# KiCad board RC-2XXA.kicad_pcb (continued)
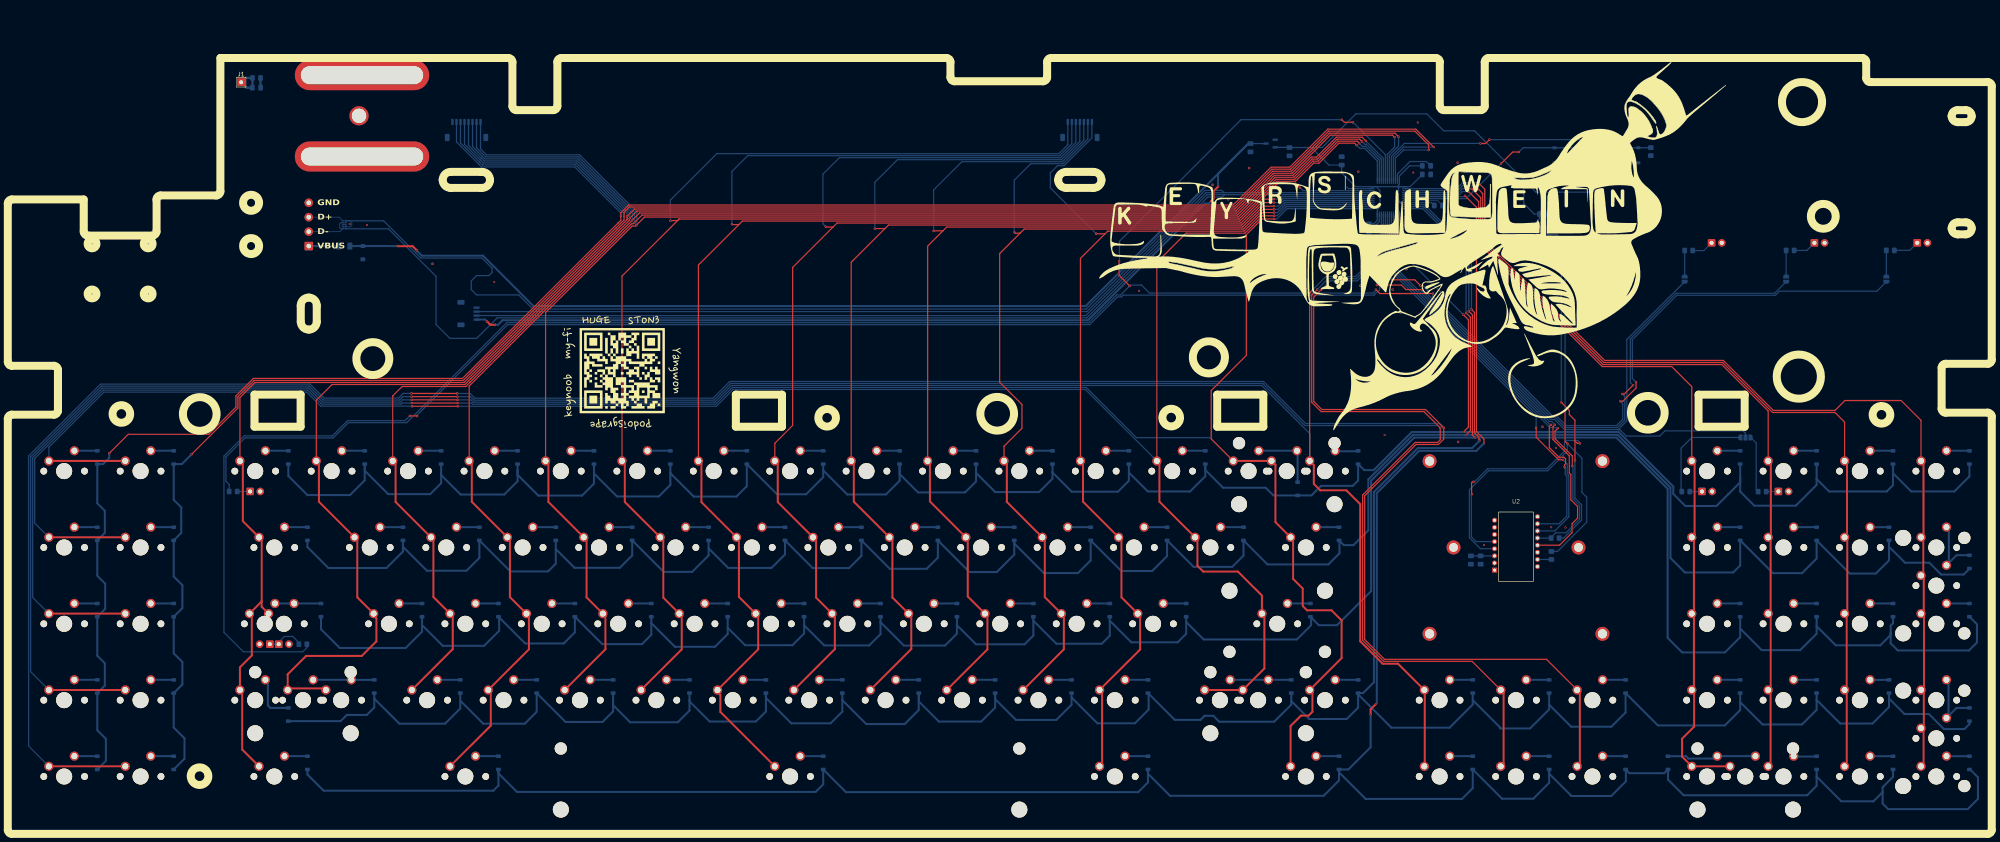
[diagram p0: board, top side]
## Routing (per net, layer and track width the routed paths; a pad name or vN(x,y) marks a point on that pad's centre or on a via; arc(x,y) is an arc through that point) (continued)
ROW3: length 662.9
  Top w0.3: v1(363.52,99.6) 364.57,100.65 364.57,128.94 v2(363.49,130.02)
  Bottom w0.3: v2(363.49,130.02) 363.49,145.24 352.7,156.03 U4.12
  Bottom w0.5: 174.65,71.27 D30.1 ; 174.65,71.27 174.65,69.5 170.55,65.4 163.46,65.4 D29.1 155.6,69.5 152.52,66.42 141.22,66.42 136.55,71.09 ; 174.65,71.27 179.54,66.38 190.32,66.38 193.7,69.76 D31.1 200.61,66.35 209.69,66.35 212.75,69.41 D32.1 219.84,66.17 229.01,66.17 231.8,68.96 D33.1 239.7,65.36 246.5,65.36 250.85,69.71 D34.1 250.85,72.47 258.21,65.11 266.74,65.11 269.9,68.27 D35.1 277.55,65.61 285.22,65.61 288.95,69.34 D36.1 295.56,66.65 305.19,66.65 308,69.46 D37.1 313.99,67.27 329.17,67.27 331.93,70.03 331.93,73.15 D38.1 333,72.07 335.41,72.07 339.12,75.78 339.12,88.47 350.25,99.6 401.26,99.6 414.44,86.42 414.44,68.86 418.05,65.25 430.08,65.25 431.83,67 D39.1 439.99,65.09 447.25,65.09 450.88,68.72 D40.1 459.14,64.99 465.65,64.99 468.93,68.27 D41.1 468.93,71.68 472.92,67.68 478.97,67.68 481.92,64.73 487.54,64.73 488.98,66.17 D42.1 ; 98.45,71.62 98.45,70.48 94.34,66.37 79.85,66.37 74.64,71.59 D25.1 ; 98.45,71.62 D26.1 ; 98.45,71.62 98.5,71.62 104.43,65.69 114.3,65.69 117.5,68.89 D27.1 125.24,65.52 134.62,65.52 136.55,67.45 136.55,71.09 ; 136.55,71.09 D28.1
ROW4: length 688
  Top w0.3: v1(365.72,98.9) 365.07,99.55 365.07,129.54 v2(364.17,130.45)
  Bottom w0.3: v2(364.17,130.45) 364.17,145.27 352.91,156.53 U4.11
  Bottom w0.5: 179.42,51.44 179.42,49.9 176.22,46.7 166.27,46.7 160.37,52.61 ; 179.42,51.44 183.75,47.1 195.54,47.1 198.47,50.03 198.47,52.07 ; 179.42,51.44 D52.1 ; 198.47,52.07 203.47,47.06 214.71,47.06 217.52,49.87 217.52,52.84 ; 198.47,52.07 D53.1 ; 274.67,53.21 280.05,47.82 291.57,47.82 293.72,49.97 293.72,52.89 ; 274.67,53.21 274.67,49.48 272.66,47.47 261.35,47.47 255.62,53.21 ; 274.67,53.21 D57.1 ; 469.34,50.14 469.34,49.67 466.74,47.07 455.65,47.07 450.88,51.85 ; 469.34,50.14 469.34,51.99 469.93,52.58 D62.1 ; 469.34,50.14 469.34,47.57 471.12,45.79 488.86,45.79 490.84,47.77 490.84,52.34 D63.1 ; 160.37,52.61 D51.1 ; 160.37,52.61 160.37,49.71 158.03,47.37 148.15,47.37 D50.1 141.32,50.32 138.54,47.54 128.93,47.54 D49.1 122.44,54.03 122.44,50.7 118.7,46.96 108.37,46.96 103.22,52.12 ; 217.52,52.84 D54.1 ; 217.52,52.84 223.34,47.01 233.58,47.01 236.57,50 236.57,52.08 ; 255.62,53.21 255.62,49.52 253.42,47.32 241.32,47.32 236.57,52.08 ; 255.62,53.21 D56.1 ; 236.57,52.08 D55.1 ; 293.72,52.89 298.06,48.54 321.3,48.54 324.86,52.1 324.86,54.02 D59.1 326.78,52.09 331.31,52.09 339.82,60.6 339.82,88.18 350.54,98.9 400.97,98.9 413.74,86.13 413.74,48.92 417.35,45.31 428.03,45.31 431.83,49.11 431.83,51.25 ; 293.72,52.89 D58.1 ; 431.83,51.25 D60.1 ; 431.83,51.25 437.2,45.87 446.77,45.87 450.88,49.98 450.88,51.85 ; 103.22,52.12 D48.1 ; 103.22,52.12 103.22,50.51 99.12,46.41 82.7,46.41 78.02,51.09 D46.1 ; 450.88,51.85 D61.1
ROW5: length 735.2
  Top w0.3: v2(364.83,130.89) 365.58,130.15 365.58,100.12 366.69,99 366.69,98.42 v1(366.91,98.2)
  Bottom w0.3: v2(364.83,130.89) 364.83,145.31 353.12,157.03 U4.10
  Bottom w0.5: 150.84,33.52 D71.1 ; 150.84,33.52 150.84,30.58 148.22,27.96 138.98,27.96 D70.1 131.79,30.49 128.82,27.52 118.47,27.52 112.74,33.26 ; 150.84,33.52 150.84,32.15 155.1,27.88 166.98,27.88 169.89,30.79 169.89,33.35 ; D81.1 336.58,31.53 333.73,28.68 324.39,28.68 319.91,33.17 ; D81.1 337.82,35.16 340.53,37.87 340.53,85.35 351.48,96.3 365.02,96.3 v1(366.91,98.2) ; D81.1 336.58,34.83 344.87,26.53 359.38,26.53 365.15,32.3 365.15,33.38 ; 319.91,33.17 D80.1 ; 319.91,33.17 319.91,32.28 315.64,28.01 301.95,28.01 300.47,29.49 298.31,29.49 297.3,28.48 290.86,28.48 D78.1 284.35,35 284.35,31.04 280.92,27.61 271.58,27.61 265.14,34.06 ; 431.83,32.9 431.83,30.92 428,27.09 411.32,27.09 D84.1 403.25,30.31 399.69,26.75 389.7,26.75 384.2,32.25 ; 431.83,32.9 437.39,27.33 447.23,27.33 450.88,30.98 450.88,33.45 ; 431.83,32.9 D85.1 ; 450.88,33.45 456.76,27.56 464.82,27.56 468.93,31.67 D87.1 468.93,33.8 472.78,29.94 478.85,29.94 482.61,26.18 487.73,26.18 488.98,27.43 D88.1 ; 450.88,33.45 D86.1 ; 91.31,33.77 91.31,31.57 89.44,29.7 84.46,29.7 82.92,28.16 D66.1 ; 91.31,33.77 D68.1 ; 91.31,33.77 97.56,27.52 108.94,27.52 112.74,31.32 112.74,33.26 ; 207.99,33.39 213.95,27.42 223.52,27.42 227.04,30.94 D75.1 227.04,33.08 232.07,28.04 242.6,28.04 246.09,31.53 D76.1 246.09,33.66 251.28,28.46 261.34,28.46 265.14,32.26 265.14,34.06 ; 207.99,33.39 D74.1 ; 207.99,33.39 207.99,30.53 205.07,27.61 195.28,27.61 188.94,33.96 D73.1 188.94,30.56 186.44,28.06 174.91,28.06 169.89,33.09 169.89,33.35 ; 169.89,33.35 D72.1 ; 365.15,33.38 D82.1 ; 365.15,33.38 371.96,26.57 371.96,26.35 379.46,26.35 384.2,31.09 384.2,32.25 ; 112.74,33.26 D69.1 ; 384.2,32.25 D83.1 ; 265.14,34.06 D77.1
ROW6: length 687.7
  Top w0.3: v2(363.25,159.23) 363.25,159.22 366.08,156.39 366.08,100.42 367.96,98.53 v1(367.96,97.5)
  Top w0.5: v1(339.7,29.81) 339.7,31.11 v1(340.95,32.36)
  Bottom w0.3: U4.6 363.05,159.03 v2(363.25,159.23)
  Bottom w0.5: D96.1 331.82,13.37 327.98,9.53 289.69,9.53 284.19,15.04 ; D96.1 331.82,15.38 338.45,8.74 362.46,8.74 365.15,11.43 D97.1 372.46,8.8 380.24,8.8 384.2,12.76 D98.1 384.2,15.03 389.74,9.49 389.74,9.47 399.67,9.47 403.33,13.13 403.33,16.02 D99.1 404.19,15.17 412.9,15.17 D100.1 413.83,13.56 417.72,9.66 448.53,9.66 450.88,12.01 450.88,14.32 ; D96.1 334.16,16.11 339.7,21.65 v1(339.7,29.81) ; 450.88,14.32 D102.1 ; 450.88,14.32 457.05,8.14 465.04,8.14 467.34,10.44 467.34,10.46 ; v1(340.95,32.36) 341.23,32.64 341.23,85.06 351.77,95.6 366.07,95.6 v1(367.96,97.5) ; 284.19,15.04 284.19,12.88 281.75,10.44 208.89,10.44 D94.1 203.23,12.39 201.33,10.49 126.88,10.49 122.27,15.11 D93.1 122.27,12.1 120.97,10.8 78.68,10.8 74.64,14.85 D92.1 ; 284.19,15.04 D95.1 ; 467.34,10.46 467.34,7.59 468.74,6.19 488.54,6.19 491.1,8.75 491.1,14.14 489.14,16.11 D104.1 ; 467.34,10.46 467.34,11.67 469.93,14.26 D103.1
RST-1: length 51.2
  Top w0.3: v2(376.65,170.16) 375.1,170.16 v2(372.21,167.27)
  Bottom w0.3: U4.7 363.47,158.53 v2(372.21,167.27) ; v2(376.65,170.16) 377.72,171.23 SW1.1 ; SW1.1 394.62,171.23 C6.1 ; 385.83,171.23 391.26,171.23 ; 394.66,171.51 394.69,171.49
SCLK: length 102.5
  Top w0.3: v2(388.06,91.54) 388.01,91.59 388.01,92.05 388.29,92.33 388.29,93.63 387.9,94.02 386.63,94.02 384.24,96.41 384.24,101.65 384.66,102.07 v2(384.66,102.09)
  Bottom w0.3: v2(388.06,91.54) 388.06,91.33 388.2,91.19 388.21,91.19 388.21,89.69 388.6,89.3 388.6,79.33 386.67,77.4 U2.10 ; U4.15 345.87,140.67 384.45,102.09 v2(384.66,102.09)
SCLLED: length 584.5
  Top w0.3: v2(401.93,107.96) 402.55,107.96 405.87,111.28 v2(405.87,112.73) ; v2(335.26,177.6) 333.12,177.6 v2(332.49,178.23) ; v2(276.99,142.93) 276.99,139.39 v2(279.63,136.75) ; v2(341.01,135.83) 341.99,134.85 v2(355.19,134.85)
  Bottom w0.3: v2(335.26,177.6) 335.29,177.6 343.37,169.53 U4.41 ; v2(401.93,107.96) 402.54,107.35 402.54,103.47 400.98,101.91 388.47,101.91 385.96,104.42 384.95,104.42 355.19,134.17 v2(355.19,134.85) ; JP1.1 465.91,135.44 441.63,135.44 440.61,134.42 416.02,134.42 404.94,123.34 404.94,113.67 v2(405.87,112.73) ; v2(276.99,142.93) 277.08,143.02 277.08,147.9 302.78,173.6 302.78,173.63 307.38,178.23 v2(332.49,178.23) ; v2(341.01,135.83) 341.01,135.62 340.36,134.96 284.57,134.96 282.57,136.96 279.84,136.96 v2(279.63,136.75) 277.38,134.5 276.37,134.5 269.45,127.58 124.34,127.58 99.39,102.63 84.86,102.63 81.06,98.83 59.08,98.83 54.32,94.07 54.32,88.01 55.14,87.2 R2.2
Net-(D1-A): length 5.7
  Bottom w0.5: MX1.2 22.24,95.62 D1.2
Net-(D2-A): length 5.7
  Bottom w0.5: MX2.2 41.29,95.62 D2.2
Net-(D3-A): length 5.7
  Bottom w0.5: D3.2 69.86,95.62 64.16,95.62
Net-(D4-A): length 5.7
  Bottom w0.5: 83.21,95.62 88.91,95.62 D4.2
Net-(D5-A): length 5.7
  Bottom w0.5: MX5.2 107.96,95.62 D5.2
Net-(D6-A): length 5.7
  Bottom w0.5: MX6.2 127.01,95.62 D6.2
Net-(D7-A): length 5.7
  Bottom w0.5: D7.2 146.06,95.62 MX7.2
Net-(D8-A): length 5.7
  Bottom w0.5: D8.2 165.11,95.62 MX8.2
Net-(D9-A): length 5.7
  Bottom w0.5: D9.2 184.16,95.62 MX9.2
Net-(D10-A): length 5.7
  Bottom w0.5: D10.2 203.21,95.62 MX10.2
Net-(D11-A): length 5.7
  Bottom w0.5: 216.56,95.62 222.26,95.62 D11.2
Net-(D12-A): length 5.7
  Bottom w0.5: MX12.2 241.31,95.62 D12.2
Net-(D13-A): length 5.7
  Bottom w0.5: MX13.2 260.36,95.62 D13.2
Net-(D14-A): length 5.7
  Bottom w0.5: D14.2 279.41,95.62 MX14.2
Net-(D15-A): length 5.7
  Bottom w0.5: D15.2 298.46,95.62 MX15.2
Net-(D16-A): length 17.4
  Bottom w0.5: MX16.2 MX17.2 321.5,95.45 321.5,87.8 D16.2
Net-(D18-A): length 5.8
  Bottom w0.5: D18.2 336.48,95.5 330.86,95.5
Net-(D19-A): length 5.7
  Bottom w0.5: D19.2 431.81,95.62 MX19.2
Net-(D20-A): length 5.7
  Bottom w0.5: D20.2 450.86,95.62 MX20.2
Net-(D21-A): length 5.7
  Bottom w0.5: MX21.2 469.91,95.62 D21.2
Net-(D22-A): length 5.7
  Bottom w0.5: MX22.2 488.96,95.62 D22.2
Net-(D23-A): length 5.7
  Bottom w0.5: MX23.2 22.24,76.57 D23.2
Net-(D24-A): length 5.7
  Bottom w0.5: D24.2 41.29,76.57 MX24.2
Net-(D25-A): length 5.7
  Bottom w0.5: MX25.2 74.62,76.57 D25.2
Net-(D26-A): length 5.7
  Bottom w0.5: MX26.2 98.44,76.57 D26.2
Net-(D27-A): length 5.7
  Bottom w0.5: MX27.2 117.49,76.57 D27.2
Net-(D28-A): length 5.7
  Bottom w0.5: MX28.2 136.54,76.57 D28.2
Net-(D29-A): length 5.7
  Bottom w0.5: D29.2 155.59,76.57 MX29.2
Net-(D30-A): length 5.7
  Bottom w0.5: D30.2 174.64,76.57 MX30.2
Net-(D31-A): length 5.7
  Bottom w0.5: D31.2 193.69,76.57 MX31.2
Net-(D32-A): length 5.7
  Bottom w0.5: MX32.2 212.74,76.57 D32.2
Net-(D33-A): length 5.7
  Bottom w0.5: D33.2 231.79,76.57 MX33.2
Net-(D34-A): length 5.7
  Bottom w0.5: MX34.2 250.84,76.57 D34.2
Net-(D35-A): length 5.7
  Bottom w0.5: D35.2 269.89,76.57 MX35.2
Net-(D36-A): length 5.7
  Bottom w0.5: MX36.2 288.94,76.57 D36.2
Net-(D37-A): length 5.7
  Bottom w0.5: D37.2 307.99,76.57 MX37.2
Net-(D38-A): length 5.7
  Bottom w0.5: D38.2 331.8,76.57 MX38.2
Net-(D39-A): length 5.7
  Bottom w0.5: D39.2 431.81,76.57 MX39.2
Net-(D40-A): length 5.7
  Bottom w0.5: MX40.2 450.86,76.57 D40.2
Net-(D41-A): length 4.8
  Bottom w0.5: 464.23,76.56 MX41.2 468.91,76.57 D41.2
Net-(D42-A): length 16.8
  Bottom w0.5: D42.2 485.77,69.56 MX43.2 483.84,67.63 483.84,75.99 MX42.2
Net-(D44-A): length 5.7
  Bottom w0.5: MX44.2 22.24,57.52 D44.2
Net-(D45-A): length 5.7
  Bottom w0.5: MX45.2 41.29,57.52 D45.2
Net-(D46-A): length 11.5
  Bottom w0.5: D46.2 78,57.52 MX47.2 MX46.2
Net-(D48-A): length 5.7
  Bottom w0.5: D48.2 103.2,57.52 MX48.2
Net-(D49-A): length 5.7
  Bottom w0.5: MX49.2 122.25,57.52 D49.2
Net-(D50-A): length 5.7
  Bottom w0.5: D50.2 141.3,57.52 MX50.2
Net-(D51-A): length 5.7
  Bottom w0.5: MX51.2 160.35,57.52 D51.2
Net-(D52-A): length 5.7
  Bottom w0.5: D52.2 179.4,57.52 MX52.2
Net-(D53-A): length 5.7
  Bottom w0.5: D53.2 198.45,57.52 MX53.2
Net-(D54-A): length 5.7
  Bottom w0.5: MX54.2 217.5,57.52 D54.2
Net-(D55-A): length 5.7
  Bottom w0.5: MX55.2 236.55,57.52 D55.2
Net-(D56-A): length 5.7
  Bottom w0.5: D56.2 255.6,57.52 MX56.2
Net-(D57-A): length 5.7
  Bottom w0.5: MX57.2 274.65,57.52 D57.2
Net-(D58-A): length 5.7
  Bottom w0.5: D58.2 293.7,57.52 MX58.2
Net-(D59-A): length 5.7
  Bottom w0.5: D59.2 324.65,57.52 MX59.2
Net-(D60-A): length 5.7
  Bottom w0.5: MX60.2 431.81,57.52 D60.2
Net-(D61-A): length 5.7
  Bottom w0.5: MX61.2 450.86,57.52 D61.2
Net-(D62-A): length 5.7
  Bottom w0.5: MX62.2 469.91,57.52 D62.2
Net-(D63-A): length 5.7
  Bottom w0.5: D63.2 488.96,57.52 MX63.2
Net-(D64-A): length 5.7
  Bottom w0.5: D64.2 22.24,38.47 MX64.2
Net-(D65-A): length 5.7
  Bottom w0.5: MX65.2 41.29,38.47 D65.2
Net-(D66-A): length 12
  Bottom w0.5: D66.2 65.41,31.46 64.78,32.08 64.78,37.85 64.16,38.47
Net-(D68-A): length 15.5
  Bottom w0.5: D68.2 86.37,38.46 86.27,38.35 85.59,38.35 ; MX68.2 MX67.2 76.18,38.35
Net-(D69-A): length 5.7
  Bottom w0.5: MX69.2 112.72,38.47 D69.2
Net-(D70-A): length 5.7
  Bottom w0.5: MX70.2 131.77,38.47 D70.2
Net-(D71-A): length 5.7
  Bottom w0.5: D71.2 150.82,38.47 MX71.2
Net-(D72-A): length 5.7
  Bottom w0.5: D72.2 169.87,38.47 MX72.2
Net-(D73-A): length 5.7
  Bottom w0.5: MX73.2 188.92,38.47 D73.2
Net-(D74-A): length 5.7
  Bottom w0.5: D74.2 207.97,38.47 MX74.2
Net-(D75-A): length 5.7
  Bottom w0.5: D75.2 227.02,38.47 MX75.2
Net-(D76-A): length 5.7
  Bottom w0.5: D76.2 246.07,38.47 MX76.2
Net-(D77-A): length 5.7
  Bottom w0.5: D77.2 265.12,38.47 MX77.2
Net-(D78-A): length 5.7
  Bottom w0.5: MX78.2 284.17,38.47 D78.2
Net-(D80-A): length 15.3
  Bottom w0.5: MX79.2 MX80.2 319.89,38.47 D80.2
Net-(D81-A): length 5.7
  Bottom w0.5: 330.86,38.47 336.56,38.47 D81.2
Net-(D82-A): length 5.7
  Bottom w0.5: D82.2 365.14,38.47 MX82.2
Net-(D83-A): length 5.7
  Bottom w0.5: D83.2 384.19,38.47 MX83.2
Net-(D84-A): length 5.7
  Bottom w0.5: MX84.2 403.24,38.47 D84.2
Net-(D85-A): length 5.7
  Bottom w0.5: MX85.2 431.81,38.47 D85.2
Net-(D86-A): length 5.7
  Bottom w0.5: D86.2 450.86,38.47 MX86.2
Net-(D87-A): length 4.7
  Bottom w0.5: D87.2 464.23,38.46 MX87.2
Net-(D88-A): length 16.7
  Bottom w0.5: D88.2 485.77,31.46 MX89.2 483.77,29.46 483.77,37.96 MX88.2
Net-(D90-A): length 5.7
  Bottom w0.5: D90.2 22.24,19.42 MX90.2
Net-(D91-A): length 5.7
  Bottom w0.5: D91.2 41.29,19.42 MX91.2
Net-(D92-A): length 5.7
  Bottom w0.5: MX92.2 74.62,19.42 D92.2
Net-(D93-A): length 5.7
  Bottom w0.5: MX93.2 122.25,19.42 D93.2
Net-(D94-A): length 5.7
  Bottom w0.5: D94.2 203.21,19.42 MX94.2
Net-(D95-A): length 5.7
  Bottom w0.5: MX95.2 284.17,19.42 D95.2
Net-(D96-A): length 5.7
  Bottom w0.5: MX96.2 331.8,19.42 D96.2
Net-(D97-A): length 5.7
  Bottom w0.5: MX97.2 365.14,19.42 D97.2
Net-(D98-A): length 5.7
  Bottom w0.5: D98.2 384.19,19.42 MX98.2
Net-(D99-A): length 5.7
  Bottom w0.5: D99.2 403.24,19.42 MX99.2
Net-(D100-A): length 22.3
  Bottom w0.5: MX101.2 MX100.2 425.5,18.81 418.92,18.81 418.33,19.41 D100.2
Net-(D102-A): length 5.8
  Bottom w0.5: 445.16,19.3 450.78,19.3 D102.2
Net-(D103-A): length 5.7
  Bottom w0.5: D103.2 464.23,19.41 MX103.2
Net-(D104-A): length 5.7
  Bottom w0.5: MX104.2 483.28,19.41 D104.2
Net-(JP1-B): length 6.5
  Bottom w0.3: R3.2 JP1.2
Net-(JP2-B): length 6.5
  Bottom w0.3: R7.2 JP2.2
Net-(JP3-B): length 6.5
  Bottom w0.3: R9.2 JP3.2
Net-(JP4-A): length 26.8
  Bottom w0.3: 417.27,85.44 R8.2 417.09,85.61 417.09,96.26 419.77,98.94 JP4.1
Net-(JP4-B): length 14.3
  Bottom w0.3: R11.2 435.81,85.94 435.81,97.57 JP4.3
Net-(LED1-A): length 3.2
  Bottom w0.3: LED1.2 60.34,85.47 R2.1
Net-(LED2-A): length 6.5
  Bottom w0.3: LED2.2 474.09,145.63 R3.1
Net-(LED3-A): length 9.4
  Bottom w0.3: R6.1 72.5,47.77 70.98,49.28 68.88,49.28 67.49,47.89 LED3.2 LED3.2
Net-(LED4-A): length 5.8
  Bottom w0.3: R7.1 448.44,145.62 LED4.2
Net-(LED5-A): length 3
  Bottom w0.3: R8.1 422.27,85.44 422.3,85.46
Net-(LED6-A): length 5.5
  Bottom w0.3: R9.1 420.01,145.57 422.76,145.57 LED6.2
Net-(LED7-A): length 3
  Bottom w0.3: LED7.2 438.34,85.46 R11.1
Net-(U2-LED_P): length 3.5
  Bottom w0.3: U2.15 R5.1
Net-(U2-VDDPIX): length 5.9
  Bottom w0.3: C4.1 C5.1 U2.3

## Copper pours and planes (outline as drawn; the poured copper is in the pictures)
GND on Top, Bottom: -14.29,204.06 -14.29,-15.44 506.75,-9.24 507.47,200.78

Small or netless copper shapes (teardrops, artwork), in the pictures only: 176 on Top, 370 on Bottom

## Text on the board
B.Silkscreen: GND | D+ | D- | VBUS | Reset | Boot
F.Silkscreen: GND | D+ | D- | VBUS
